# Allegro board BRD-05058-03_A1.brd (continued)
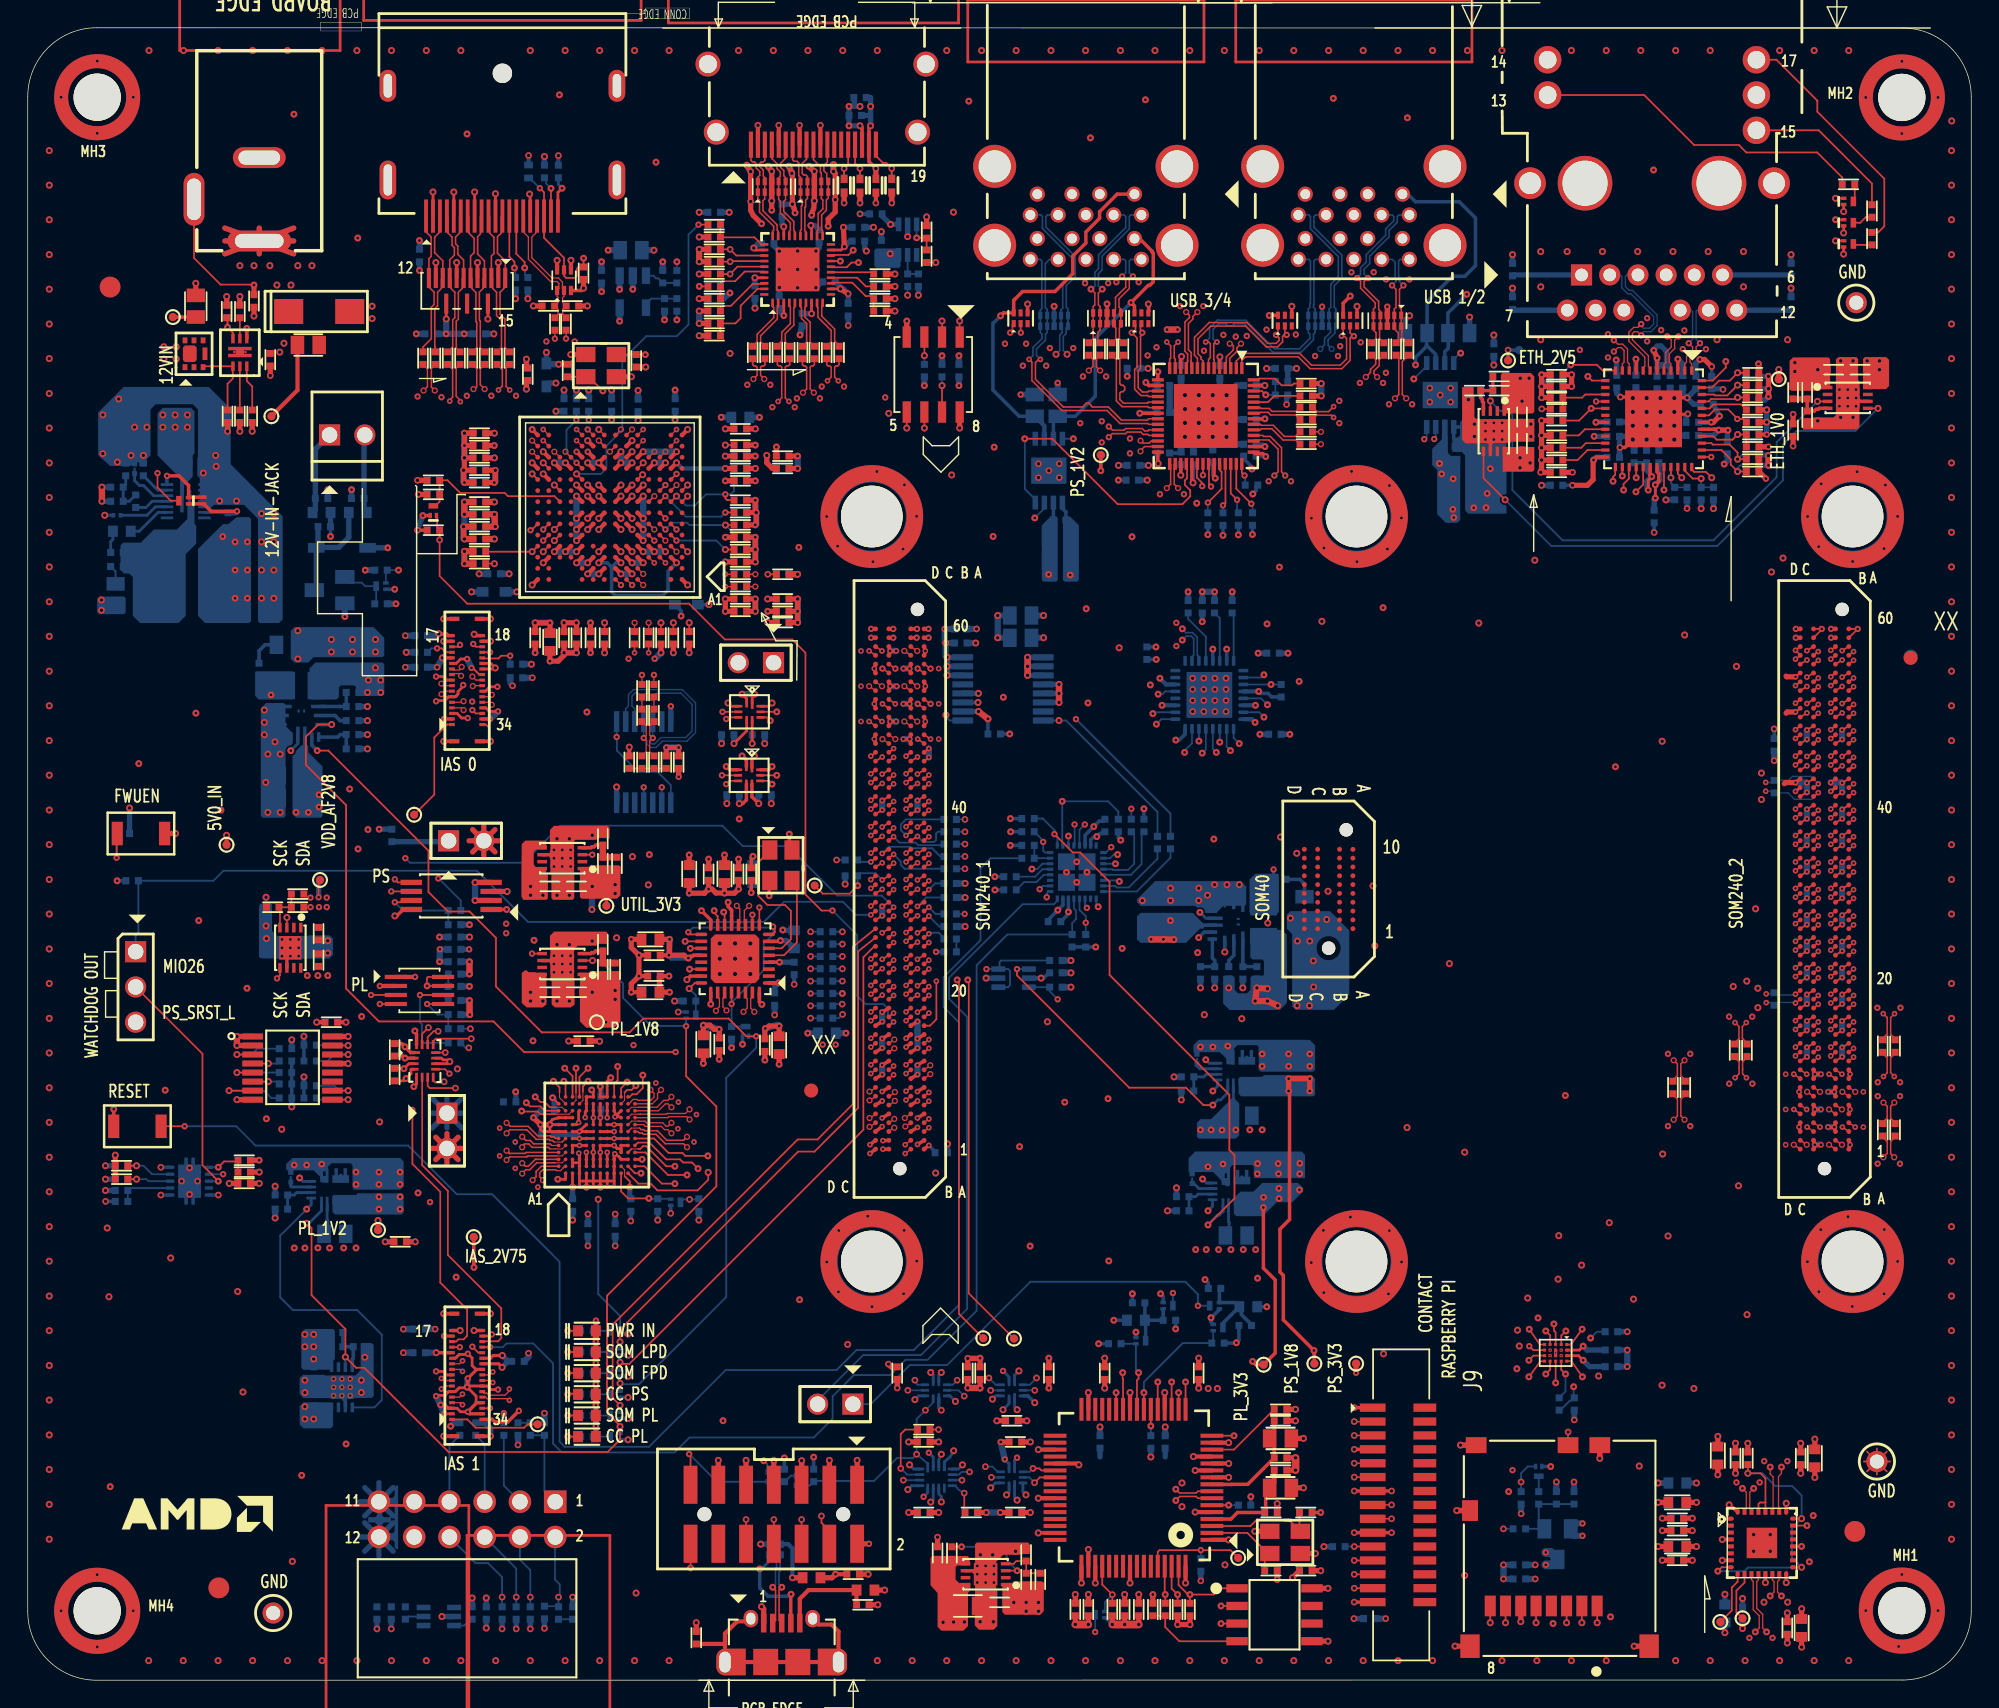
[diagram p0: board, top side]
## Routing (per net, layer and track width the routed paths; a pad name or vN(x,y) marks a point on that pad's centre or on a via; arc(x,y) is an arc through that point) (continued)
N1064220: length 6.2
  TOP w0.127: U24.2 87.86,10.61 89.34,9.13 X2.1 89.11,8.76 C103.1
N1064316: length 8.2
  TOP w0.127: 91.61,10.79 90.83,11.57 88.54,11.57 88.08,11.11 U24.3 ; 91.61,10.79 X2.3 ; 91.61,10.79 C104.1
N1064420: length 1.9
  TOP w0.127: U24.6 v5(86.5,12.61)
  BOTTOM w0.127: R79.2 v5(86.5,12.61)
N1366089: length 9
  BOTTOM w0.381: Q18.3 20.78,78.64 D2.2 20.91,81.68 ; 20.91,81.68 20.91,83.07 C208.2 ; 20.91,81.68 21,81.58 22.41,81.58 23.13,82.3 L9.2
N1371512: length 8.8
  TOP w0.132: R80.2 v6(41.55,76.15)
  TOP w0.305: U27.D6 v6(43.53,81.27)
  L03_SIG w0.305: v6(41.55,76.15) 41.93,76.53 41.93,81.55 42.31,81.93 42.87,81.93 v6(43.53,81.27)
N1371516: length 4.9
  TOP w0.305: U27.L2 v6(46.73,87.67)
  TOP w0.381: R81.2 v6(50.25,87.26)
  BOTTOM w0.305: v6(46.73,87.67) 47.14,87.26 v6(50.25,87.26)
N1371642: length 5.5
  TOP w0.305: U27.M9 v1(40.33,88.47)
  L10_SIG w0.305: v1(40.41,90.75) 41.24,90.75 41.69,90.3 41.69,89.04 41.12,88.47 v1(40.33,88.47)
  BOTTOM w0.132: R84.2 v1(40.41,90.75)
N1371738: length 11.4
  TOP w0.127: U27.H12 37.93,85.27 34.59,85.27 34.36,85.5 31.15,85.5 30.23,86.41 C239.1 R168.2 29.67,84.87 29.37,84.57 Q22.3
N1375606: length 2
  TOP w0.127: U31.3 v6(64.59,95.39)
  BOTTOM w0.127: R87.2 v6(64.59,95.39)
N1375610: length 2.5
  TOP w0.127: U31.7 v6(65.86,93.23)
  BOTTOM w0.127: R88.2 v6(65.86,93.23)
N1394837: length 6.9
  TOP w0.127: U27.D2 v4(46.73,81.27) ; R155.1 v6(47.65,76.15)
  L03_SIG w0.102: v4(46.73,81.27) 47.27,80.74 47.27,80.15 47.01,79.9 47.01,77.99 47.65,77.36 v6(47.65,76.15)
N1434920: length 3
  TOP w0.127: J6.19 v5(37.69,107.43)
  BOTTOM w0.127: R200.1 37.34,108.08 37.34,107.79 v5(37.69,107.43)
N1442575: length 7.7
  TOP w0.127: U27.E3 v4(45.93,82.07) ; R169.1 v6(46.51,76.15)
  L03_SIG w0.102: v6(46.51,76.15) 46.51,79.36 45.56,80.31 45.56,81.69 v4(45.93,82.07)
N1569020: length 3.5
  BOTTOM w0.127: R213.1 86.87,76.75 U37.24
N1569323: length 3.6
  BOTTOM w0.127: R209.2 85.87,76.48 U37.22
N1569805: length 4
  BOTTOM w0.127: C278.2 83.59,76.42 84.87,75.14 U37.20
N1589278: length 7.9
  TOP w0.127: U27.L5 v6(44.33,87.67) ; R176.1 v6(50.25,88.95)
  L12_SIG w0.102: v6(50.25,88.95) 49.04,87.74 47.69,87.74 47.36,88.07 44.74,88.07 v6(44.33,87.67)
N1589300: length 4.9
  TOP w0.127: U27.L10 v1(39.53,87.67)
  BOTTOM w0.127: v1(39.53,87.67) 38.81,88.39 38.81,90.05 v1(39.52,90.75) R175.2
N1592727: length 2.7
  TOP w0.127: R171.1 R173.1 R172.1 46,65.66 R170.2
N1672169: length 6.1
  BOTTOM w0.127: C367.2 R236.2 R272.1 108.85,10.9 Q14.1 109.25,10.9 C368.1
N1690498: length 1.2
  BOTTOM w0.127: Q6.3 R157.1
N1690502: length 1.7
  TOP w0.127: DS1.1 v6(38.9,25.16)
  BOTTOM w0.127: R157.2 v6(38.9,25.16)
N1690608: length 1.2
  BOTTOM w0.127: Q7.3 R158.1
N1690612: length 1.7
  TOP w0.127: DS2.1 v6(38.9,22.11)
  BOTTOM w0.127: v6(38.9,22.11) R158.2
N1690718: length 1.2
  BOTTOM w0.127: Q8.3 R159.1
N1690722: length 1.7
  TOP w0.127: DS3.1 39.59,20.64 38.95,20.64 v6(38.9,20.59)
  BOTTOM w0.127: R159.2 v6(38.9,20.59)
N1690828: length 1.2
  BOTTOM w0.127: Q9.3 R160.1
N1690832: length 1.7
  TOP w0.127: DS4.1 v6(38.9,19.06)
  BOTTOM w0.127: R160.2 v6(38.9,19.06)
N1690938: length 1.2
  BOTTOM w0.127: Q10.3 R161.1
N1690942: length 1.7
  TOP w0.127: DS5.1 v6(38.9,17.54)
  BOTTOM w0.127: v6(38.9,17.54) R161.2
N1766802: length 3.2
  BOTTOM w0.203: R33.1 8.03,82.74 9.39,84.1 U6.2
N1766806: length 1.6
  BOTTOM w0.203: R33.2 6.13,82.15 5.97,81.99 C37.1
N1766990: length 4.5
  TOP w0.254: R265.2 11.61,85.2 Q21.2 11.58,86.04 10.89,86.73 v1(10.03,86.73)
  BOTTOM w0.254: U6.7 v1(10.03,86.73)
N1767106: length 3
  BOTTOM w0.203: R31.1 7.06,86.1 R30.2 C39.2 7.31,84.9 7.76,85.35 R32.2
N1767370: length 1.4
  BOTTOM w0.132: R223.1 6.33,79.85 C319.2
N1779575: length 2.3
  BOTTOM w0.254: R224.1 17.09,74.56 16.66,74.13 C320.2
N1784249: length 2.4
  BOTTOM w0.203: R225.1 91.97,56.53
  BOTTOM w0.254: C321.2 91.64,57.67 91.97,57.34 91.97,56.53
N1926673: length 24.2
  TOP w0.127: U40.29 124.67,12.69 124.79,12.8 125.17,12.8 ; v5(121.75,7.85) 122.03,8.14 U40.8 ; R240.1 v6(123.91,14.9) 124.82,14.9 125.18,14.54 125.18,12.8 125.17,12.8 ; U40.28 125.17,12.8 ; U40.17 v6(127.78,8.14) ; U40.24 v6(127.78,11.64)
  BOTTOM w0.127: v6(123.91,14.9) 124.97,14.9 125.88,13.98 127.1,13.98 127.78,13.3 v6(127.78,11.64) 127.08,10.94 127.08,8.83 v6(127.78,8.14) 127.75,8.11 123.91,8.11 123.65,7.85 v5(121.75,7.85)
N2162492: length 6.5
  TOP w0.127: TP31.1 36.01,18.43 35.76,18.18 32.27,18.18 31.67,18.79 J8.1
N2168209: length 7.8
  TOP w0.127: TP27.1 29.28,63.78 29.28,67.89 30.22,68.82 J7.1
N2198627: length 1.2
  BOTTOM w0.127: Q17.3 R254.1
N2198631: length 1.7
  TOP w0.127: DS6.1 v6(38.9,23.64)
  BOTTOM w0.127: R254.2 v6(38.9,23.64)
N2390901: length 3.8
  BOTTOM w0.127: R260.2 25.1,77.62 Q20.3 24.3,78.79 24.05,79.04 23.25,79.04 Q18.1
N2498323: length 4
  TOP w0.127: TP35.1 122.75,5.02 122.75,6.68 123.17,7.1 U40.9
N2498387: length 3.6
  TOP w0.127: TP36.1 123.08,4.9 123.08,6.45 123.67,7.04 U40.10
N2549814: length 0.9
  BOTTOM w0.127: C344.1 66.9,52.46 66.9,53.38 R264.2
N2861572: length 6.3
  BOTTOM w0.254: Q23.3 86.09,25.71 D3.2 ; D3.2 87.42,26.75 87.42,26.34 88.15,25.61 R294.2 ; D3.2 87.28,26.9 87.21,27.08 86.98,27.19 Q24.1 85.84,28.12 C388.1
N2906910: length 1.1
  BOTTOM w0.127: R272.2 Q15.3
N2971691: length 0.9
  BOTTOM w0.127: R274.1 C370.1
N2974273: length 1
  BOTTOM w0.127: R275.1 C371.1
N3482645: length 4.8
  BOTTOM w0.254: Q26.3 80.53,25.87 ; 80.53,25.87 80.59,25.92 C389.1 Q25.1 ; 80.53,25.87 D4.2 R296.2
N3484918: length 27.4
  L05_SIG w0.102: v1(67.49,55.18) 67.13,55.18 65.28,57.04 65.28,57.72 64.89,58.11 60.17,58.11 57.7,60.57 57.7,69.3 J20.1
  BOTTOM w0.127: R164.2 v1(67.49,55.18)
N3709789: length 5.5
  BOTTOM w0.127: U19.5 79.47,58 80.24,58.77 80.24,60.93 80.41,61.1 R303.2
N3709798: length 2.9
  BOTTOM w0.127: R306.2 71.21,56.91 71.77,57.48 72.67,57.48 73.19,58 U19.20
N4410185: length 2.7
  BOTTOM w0.127: R302.2 72.57,57.87 73.1,58.4 U19.21

## Copper pours and planes (outline as drawn; the poured copper is in the pictures)
5V0_IN on TOP (solid shape): 36.07,50.99 36.56,50.99 36.58,50.98 36.64,50.96 36.7,50.95 37.23,50.95 37.36,50.81 37.36,48.66 37.09,48.45 35.94,48.45 35.71,48.66 35.58,48.78 35.58,50.94 35.82,51.12 35.94,51.12
5V0_IN on TOP (solid shape): 37.36,60.34 37.36,60.09 37.34,59.88 37.29,59.83 36.7,59.83 36.55,59.78 36.46,59.64 36.45,59.63 36.45,59.57 36.45,58.82 36.45,58.74 36.51,58.66 36.6,58.56 37.23,58.56 37.34,58.48 37.34,58.1 37.47,57.97 37.47,56.28 37.34,56.2 35.69,56.2 35.56,56.42 35.56,58.17 35.58,60.21 35.84,60.47 37.23,60.47
5V0_IN on BOTTOM (solid shape): 74.19,83.68 74.19,79.23 74.06,79.1 73.18,79.1 73.05,79.23 73.05,83.17 73.68,83.8 74.06,83.8
5V0_IN on BOTTOM (solid shape): 16.08,83.63 16.08,76.27 15.95,76.14 12.77,76.14 12.27,76.65 12.27,81.47 14.04,83.25 14.43,83.25 15.06,83.76 15.95,83.76
5V0_IN on BOTTOM (solid shape): 21.77,20 21.83,19.99 21.99,19.83 21.99,19.19 22,18.31 21.82,18.13 19.86,18.13 19.58,18.41 19.58,19.74 19.86,20.01 21.73,20.01
5V0_IN on BOTTOM (solid shape): 84.73,54.45 84.73,54.25 84.73,54.18 84.67,54.12 84.45,54.12 83.43,53.1 80.16,53.1 79.91,53.35 79.91,55.01 80.16,55.26 83.92,55.26
5V0_IN on BOTTOM (solid shape): 86.79,41.95 86.88,41.98 86.95,41.93 87.02,41.8 87.27,41.54 87.27,39.26 87.02,39 84.35,39 84.22,39.13 84.22,40.15 84.48,40.4 85.24,40.4
5V0_IN on BOTTOM (solid shape): 102.27,89.75 102.28,89.7 102.29,89.65 102.29,88.39 102.51,88.17 103.2,88.17 103.2,87.53 103.2,87.52 103.2,83.56 102.98,83.35 102.15,83.35 101.53,83.97 101.53,87.16 101.17,87.52 101.17,88.67 101.87,89.37 101.87,89.67 101.88,89.72 101.88,89.75 101.88,90.79 102.27,90.79
5V0_IN on BOTTOM (solid shape): 19.79,67.32 19.83,67.32 20.08,67.32 20.12,67.32 20.15,67.33 20.19,67.32 20.21,67.29 20.22,67.26 20.22,66.82 21.23,65.8 21.23,62.24 21.11,62.12 19.33,62.12 19.07,62.37 19.07,66.59 19.1,66.6 19.26,66.73 19.32,66.92 19.32,66.94 19.73,67.34
5V0_IN on TOP: 16.18,82.6 16.18,77.64 15.67,77.14 14.27,77.14 13.13,78.28 13.13,82.72 13.51,83.1 15.67,83.1
5V0_IN on TOP: 21.71,51.66 19.85,51.66 19.8,51.65 19.74,51.64 19.58,51.47 19.58,50.84 19.58,49.96 19.75,49.78 21.71,49.78 21.99,50.06 21.99,51.38
5V0_IN on BOTTOM: 21.99,33.03 21.99,30.75 21.74,30.49 19.07,30.49 18.95,30.62 18.95,31.64 19.2,31.89 19.96,31.89 21.61,33.54 21.74,33.29
5V0_IN on BOTTOM: 86.93,32.92 86.93,30.63 86.67,30.38 84.01,30.38 83.88,30.5 83.88,31.52 84.13,31.77 84.9,31.77 86.55,33.43 86.67,33.17
5V0_IN on L08_PWR: 8.26,117.15 132.09,117.15 138.44,110.8 138.44,21.9 137.17,20.63 127.01,20.63 118.75,28.88 82.56,28.88 80.65,30.79 80.65,58.73 80.02,59.36 75.57,59.36 74.94,58.73 74.94,49.2 74.3,48.57 60.97,48.57 60.33,49.2 60.33,54.92 59.7,55.55 40.01,55.55 39.38,54.92 39.38,48.57 38.74,47.93 36.19,47.93 33.65,50.47 18.42,50.47 17.79,49.84 17.79,39.68 18.42,39.04 21.6,39.04 23.5,37.14 23.5,33.96 25.41,32.06 25.41,19.36 24.14,18.09 2.55,18.09 1.91,18.72 1.91,110.8 ; 3 cut-outs
5V0_IN_SW on BOTTOM (solid shape): 12.01,84.52 12.01,83.25 12.14,83.12 12.14,81.85 11.38,81.09 11.38,76.65 10.87,76.14 8.08,76.14 7.57,76.65 7.57,79.44 7.31,79.69 6.93,79.69 6.68,79.95 6.68,81.73 6.87,81.92 8.14,81.92 9.09,82.87 10.74,82.87 11.5,83.63 11.5,84.77 11.63,84.9
12V_IN on BOTTOM (solid shape): 12.01,91.38 12.01,88.34 11.89,88.21 11.89,86.68 11.25,86.04 11.25,85.03 11,85.03 11,86.55 9.35,88.2 9.35,91.25 9.73,91.63 11.76,91.63
12V_IN on TOP: 12.85,98.67 9.32,98.67 8.92,98.26 8.92,94.63 9.72,93.83 12.19,93.83 12.19,96.88 13.08,97.77 13.08,98.44
12V_IN on L07_PWR: 1.91,96.02 3.22,97.33 24.18,97.33 25.41,96.1 25.41,84.76 26.68,83.49 26.68,81.46 25.53,80.32 3.94,80.32 1.91,82.35
12V_IN_JACK on TOP: 19.84,95.26 19.98,95.4 19.98,105.17 19.47,105.68 14.14,105.68 13.76,105.3 13.76,101.49 14.14,101.11 16.93,101.11 17.31,100.73 17.31,96.52 16.81,96.03 15.41,96.03 15.41,95.39 15.53,95.26
12V_IN_JACK on BOTTOM: 19.53,95.33 19.98,95.77 19.98,105.17 19.47,105.68 14.14,105.68 13.76,105.3 13.76,101.49 14.14,101.11 16.93,101.11 17.31,100.73 17.31,97.55 17.69,97.17 17.69,96.28 17.44,96.03 15.41,96.03 15.41,96.07 14.9,95.56 14.9,89.6 15,89.5 15.71,89.5 15.79,89.57 15.79,93.99 17.12,95.33
12V_IN_SOURCE on TOP: 14.52,95.26 14.29,95.03 12.45,95.03 12.45,96.79 13.5,96.79 14.28,96.01 15.14,96.01 15.14,95.39 15.01,95.26
AVDD12 on L05_SIG: 47.9,92.72 51.84,92.72 54.38,90.18 54.38,78.12 54.35,78.12 54.35,76.07 53.84,75.55 51.15,75.55 49,77.71 48.81,77.9 42.21,77.9 40.18,75.99 39.77,75.66 35.89,75.66 34.06,77.48 34.06,78.75 32.73,80.09 32.3,80.56 32.3,83.99 33.57,85.26 38.15,85.26 38.56,85.74 38.56,86.25 38.4,86.4 38.27,86.53 37.77,86.53 37.64,86.41 37.03,86.4 36.88,86.55 36.88,87.24 36.45,87.67 33.42,87.67 32.79,88.3 32.79,88.91 32.85,88.98 32.85,93.3 33.55,93.99 46.76,93.99 46.76,93.87
AVDD33 on L12_SIG: 42.04,89.84 43.95,89.84 44.08,89.72 44.08,86.39 44.6,85.87 44.6,82.31 50.43,82.35 51.32,81.46 51.32,76.89 50.3,75.87 48.63,75.87 47.9,76.6 43.46,76.6 42.95,76.09 42.95,75.58 42.19,74.82 42.19,73.55 42.06,73.42 38.5,73.42 37.93,73.99 37.93,78.06 36.96,79.05 33.54,79.05 32.77,79.82 32.77,89.05 33.93,90.17 35.47,90.17 36.71,88.95 41.92,88.95 42.04,89.08
GND on TOP (solid shape): 72.18,9.79 72.18,9.09 71.67,9.09 71.58,9.07 71.51,9.03 70.27,9.03 69.96,8.72 69.92,8.69 69.89,8.65 69.76,8.52 69.76,6.49 69.85,6.41 69.85,3.91 69.57,3.64 68.53,3.64 68.22,3.94 68.22,4.82 68.24,4.84 68.24,9.79 68.37,9.92 72.05,9.92
GND on TOP (solid shape): 104.16,92.62 104.17,92.53 104.21,92.46 104.21,90.97 104.34,90.84 104.59,90.84 104.61,90.83 104.67,90.8 104.74,90.8 106.49,90.8 106.55,90.8 106.62,90.83 106.63,90.84 108.53,90.84 108.53,89.19 106.88,89.19 106.75,89.06 106.63,89.06 106.62,89.07 106.55,89.09 106.49,89.1 105.74,89.1 105.67,89.09 105.61,89.07 105.59,89.06 105.13,89.06 105.12,89.07 105.05,89.09 104.99,89.1 104.74,89.1 104.67,89.09 104.61,89.07 104.59,89.06 103.58,89.06 103.33,89.31 103.33,93.12 104.16,93.12
GND on TOP (solid shape): 131.73,95.29 131.85,95.14 131.85,93.63 131.96,93.53 131.96,93.26 131.95,93.22 131.95,92.97 131.95,92.72 131.95,92.47 131.96,92.43 131.96,91.76 131.95,91.72 131.95,91.47 131.96,91.43 131.96,90.27 131.74,90.05 127.92,90.05 127.87,90.11 127.87,90.89 128.44,90.89 128.52,90.91 128.59,90.94 130.09,90.94 130.25,91.11 130.25,91.41 130.26,91.47 130.26,91.72 130.25,91.78 130.25,91.91 130.26,91.97 130.26,92.72 130.25,92.78 130.25,92.91 130.26,92.97 130.26,93.22 130.25,93.28 130.25,95.11 130.43,95.29
GND on TOP (solid shape): 41.79,53.78 41.79,53.03 41.17,53.03 41.04,52.99 40.95,52.89 39.63,52.89 39.39,52.66 39.39,52.59 39.39,52.58 39.36,52.52 39.35,52.45 39.35,52.2 39.36,52.14 39.38,52.08 39.36,52.02 39.35,51.95 39.35,51.2 39.36,51.14 39.38,51.08 39.36,51.02 39.35,50.95 39.35,50.7 39.36,50.63 39.39,50.57 39.39,50.56 39.39,48.66 39.12,48.45 37.98,48.45 37.74,48.66 37.74,50.31 37.62,50.43 37.62,50.56 37.62,50.57 37.65,50.63 37.66,50.7 37.66,50.95 37.65,51.02 37.63,51.08 37.65,51.14 37.66,51.2 37.66,51.45 37.65,51.52 37.62,51.58 37.62,51.59 37.62,52.06 37.62,52.07 37.65,52.13 37.66,52.2 37.66,52.45 37.65,52.52 37.62,52.58 37.62,52.59 37.62,53.61 37.92,53.91 41.68,53.91
GND on TOP (solid shape): 41.91,61.4 41.91,60.64 41.85,60.58 41.82,60.61 41.75,60.64 41.68,60.65 41.17,60.65 41.04,60.61 40.95,60.51 39.44,60.51 39.37,60.44 39.37,60.17 39.36,60.12 39.35,60.07 39.35,59.82 39.36,59.77 39.37,59.72 39.37,59.67 39.36,59.62 39.35,59.57 39.35,58.82 39.36,58.77 39.37,58.72 39.37,58.67 39.36,58.62 39.35,58.57 39.35,58.32 39.36,58.27 39.37,58.22 39.37,56.32 39.25,56.2 37.85,56.2 37.72,56.32 37.72,58.1 37.63,58.2 37.64,58.23 37.65,58.27 37.66,58.32 37.66,58.57 37.65,58.64 37.63,58.7 37.65,58.76 37.66,58.82 37.66,59.07 37.65,59.15 37.61,59.22 37.6,59.23 37.6,59.66 37.61,59.68 37.65,59.75 37.66,59.82 37.66,60.07 37.65,60.14 37.62,60.21 37.61,60.22 37.62,61.23 37.92,61.53 41.79,61.53
GND on TOP (solid shape): outline of 229 points within 1.9,110.9 8.1,117.1
GND on TOP (solid shape): outline of 229 points within 1.9,1.9 8.1,8.1
GND on TOP (solid shape): outline of 229 points within 131.9,110.88 138.1,117.08
GND on TOP (solid shape): outline of 229 points within 131.9,1.91 138.1,8.12
GND on TOP (solid shape): outline of 248 points within 57.1,80.1 64.5,87.5
GND on TOP (solid shape): outline of 248 points within 57.1,26.45 64.5,33.85
GND on TOP (solid shape): outline of 248 points within 92.02,80.1 99.42,87.5
GND on TOP (solid shape): outline of 248 points within 92.02,26.45 99.42,33.85
GND on TOP (solid shape): outline of 248 points within 127.75,80.1 135.15,87.5
GND on TOP (solid shape): outline of 248 points within 127.75,26.45 135.15,33.85
GND on BOTTOM (solid shape): 7.06,77.92 7.06,76.9 6.93,76.77 5.15,76.77 5,76.93 5,77.89 5.15,78.04 6.93,78.04
GND on BOTTOM (solid shape): 75.72,83.17 75.72,79.23 75.59,79.1 74.7,79.1 74.57,79.23 74.57,83.68 74.7,83.8 75.08,83.8
GND on BOTTOM (solid shape): 25.68,75.07 25.68,73.8 25.55,73.67 20.6,73.67 20.22,73.29 19.2,73.29 18.95,73.55 18.95,75.58 19.2,75.83 24.92,75.83
GND on BOTTOM (solid shape): 92.73,45.73 92.73,43.96 92.61,43.83 88.8,43.83 88.67,43.96 88.67,44.08 88.67,44.08 88.67,45.13 88.67,45.13 88.67,45.61 88.54,45.73 87.15,45.73 86.89,45.48 86.89,44.34 86.51,44.34 86.38,44.46 86.38,44.72 85.88,45.23 84.43,45.23 84.43,45.19 83.97,45.19 83.97,45.73 84.35,46.12 92.35,46.12
GND on BOTTOM (solid shape): 18.57,70.25 18.57,68.72 19.07,68.21 19.07,67.45 18.94,67.32 18.92,67.32 18.67,67.2 18.57,66.95 18.57,66.92 18.57,62.24 18.44,62.12 16.91,62.12 16.79,62.24 16.79,69.99 17.17,70.37 18.44,70.37
GND on BOTTOM (solid shape): 87.78,57.16 87.78,55.89 87.65,55.77 86.13,55.77 85.62,55.26 84.82,55.26 84.82,55.31 84.7,55.57 84.44,55.67 84.36,55.67 84.28,55.64 84.24,55.62 84.1,55.77 80.16,55.77 79.91,56.02 79.91,56.23 81.22,57.55 87.4,57.55
GND on BOTTOM (solid shape): 92.01,37.84 92.01,36.16 88.33,36.16 88.33,36.51 88.32,36.51 88.32,36.98 88.2,37.11 86.8,37.11 86.6,36.9 86.6,35.63 86.55,35.58 86.27,35.58 86.27,35.66 86.02,35.66 86.02,35.95 85.81,36.17 86.4,36.17 86.4,36.5 86.19,36.5 86.19,36.17 85.81,36.17 85.39,36.6 84.01,36.6 84.01,36.58 83.65,36.58 83.63,36.6 83.63,37.59 84.11,38.08 91.77,38.08
GND on BOTTOM (solid shape): 27.07,37.35 27.07,35.57 26.82,35.32 23.52,35.32 23.39,35.45 23.39,35.57 23.4,35.57 23.4,36.62 23.39,36.62 23.39,37.1 23.26,37.23 21.87,37.23 21.61,36.97 21.61,35.83 21.23,35.83 21.11,35.96 21.11,36.21 21.01,36.31 21.47,36.31 21.47,36.64 21.26,36.64 21.26,36.31 21.01,36.31 20.6,36.72 19.07,36.72 19.07,36.68 18.82,36.68 18.82,36.72 18.69,36.72 18.62,36.78 18.62,37.18 19.07,37.61 26.82,37.61
GND on BOTTOM (solid shape): 14.62,91.56 14.62,87.56 18.36,83.81 18.36,76.39 18.11,76.14 16.71,76.14 16.58,76.27 16.58,83.63 15.57,84.65 13.41,84.65 13.22,84.46 12.39,84.46 12.39,86.55 12.21,86.73 12.21,88.02 12.27,88.08 12.27,91.51 11.89,91.89 9.22,91.89 8.84,91.51 8.84,88.2 8.58,87.95 8.58,87.44 8.13,87.44 8.13,87.45 8.02,87.45 8.02,87.71 7.36,87.71 7.36,87.45 7.26,87.45 7.26,87.44 5.94,87.44 5.07,88.21 5.07,91.3 6.89,93.13 13.05,93.13
GND on BOTTOM (solid shape): 17.59,55.88 17.59,53.97 17.84,53.73 17.89,53.67 17.98,53.59 18.07,53.59 19.82,53.59 19.85,53.59 20.17,53.59 20.22,53.64 21.73,53.64 21.99,53.42 21.99,52.25 21.71,51.97 19.8,51.97 19.74,51.9 19.07,51.9 19.01,51.89 18.88,51.89 18.82,51.9 18.57,51.9 18.51,51.89 18.38,51.89 18.32,51.9 18.12,51.9 18.05,51.97 16.78,51.98 16.66,52.11 16.66,55.79 16.79,55.93 17.55,55.93
GND on BOTTOM (solid shape): 24.92,24.14 24.92,20.46 24.79,20.33 23.52,20.32 23.45,20.25 23.25,20.25 23.19,20.24 23.07,20.24 23,20.25 22.75,20.25 22.69,20.24 22.57,20.24 22.5,20.25 21.84,20.25 21.77,20.32 19.86,20.32 19.58,20.6 19.58,21.77 19.84,22 21.35,22 21.4,21.94 21.72,21.94 21.75,21.94 23.5,21.94 23.6,21.94 23.68,22.02 23.73,22.08 23.98,22.33 23.98,24.23 24.03,24.28 24.78,24.28
GND on BOTTOM (solid shape): 106.52,85.49 106.49,85.42 106.42,85.39 106.04,85.01 106.42,84.63 106.49,84.6 106.52,84.52 106.52,84 103.78,84 103.55,84.23 103.55,88.19 103.29,88.45 102.62,88.45 102.62,89.5 102.93,89.5 103.11,89.57 103.18,89.75 103.18,90.59 103.41,90.82 106.52,90.82
GND on BOTTOM (solid shape): 95.2,54 95.2,49.37 94.1,48.27 91.34,48.27 91.08,48.53 91.08,52.72 92.85,52.72 92.85,52.63 92.86,52.55 92.88,52.47 92.91,52.39 92.94,52.32 92.99,52.24 93.04,52.18 93.09,52.11 93.15,52.06 93.22,52.01 93.29,51.96 93.36,51.93 93.44,51.9 93.52,51.87 93.61,51.86 93.69,51.85 93.77,51.86 93.85,51.87 93.94,51.88 94.02,51.91 94.09,51.94 94.17,51.98 94.23,52.03 94.3,52.08 94.36,52.14 94.41,52.21 94.45,52.28 94.49,52.35 94.52,52.43 94.55,52.51 94.56,52.59 94.57,52.68 94.57,52.76 94.56,52.84 94.55,52.92 94.52,53 94.49,53.08 94.45,53.16 94.41,53.23 94.36,53.29 94.3,53.35 94.23,53.4 94.17,53.45 94.09,53.49 94.02,53.53 93.94,53.55 93.85,53.57 93.77,53.58 93.69,53.58 93.61,53.58 93.52,53.56 93.44,53.54 93.36,53.51 93.29,53.47 93.22,53.43 93.15,53.38 93.09,53.32 93.04,53.26 92.99,53.19 92.94,53.12 92.91,53.04 92.88,52.96 92.86,52.88 92.85,52.8 92.85,52.72 91.08,52.72 91.08,53.74 90.7,54.12 90.7,55.13 90.96,55.39 93.8,55.39
GND on BOTTOM (solid shape): outline of 229 points within 1.9,110.9 8.1,117.1
GND on BOTTOM (solid shape): outline of 229 points within 1.9,1.9 8.1,8.1
GND on BOTTOM (solid shape): outline of 229 points within 131.9,110.88 138.1,117.08
GND on BOTTOM (solid shape): outline of 229 points within 131.9,1.91 138.1,8.11
GND on BOTTOM (solid shape): outline of 248 points within 57.1,80.1 64.5,87.5
GND on BOTTOM (solid shape): outline of 248 points within 57.1,26.45 64.5,33.85
GND on BOTTOM (solid shape): outline of 248 points within 92.02,80.1 99.42,87.5
GND on BOTTOM (solid shape): outline of 248 points within 92.02,26.45 99.42,33.85
GND on BOTTOM (solid shape): outline of 248 points within 127.75,80.1 135.15,87.5
GND on BOTTOM (solid shape): outline of 248 points within 127.75,26.45 135.15,33.85
GND on TOP: 53.73,60.63 53.73,59.49 53.47,59.24 52.59,59.24 52.33,58.98 50.93,58.98 50.68,59.24 49.66,59.24 49.41,58.98 48.52,58.98 48.27,59.24 46.87,59.24 46.49,59.62 46.49,60.76 46.74,61.01 53.35,61.01
GND on TOP: 25.43,99.46 25.43,97.68 25.35,97.6 24.18,97.6 22.02,95.44 20.53,95.44 20.47,95.49 20.47,97.09 21.77,97.73 21.77,99.33 22.02,99.61 25.28,99.61
GND on TOP: 17.37,56.71 16.89,56.71 16.66,56.48 16.66,52.11 16.78,51.98 18.05,51.97 18.12,51.9 18.32,51.9 18.38,51.89 18.51,51.89 18.57,51.9 18.82,51.9 18.88,51.89 19.01,51.89 19.07,51.9 19.74,51.9 19.8,51.97 21.71,51.97 21.99,52.25 21.99,53.42 21.73,53.64 20.22,53.64 20.17,53.59 19.85,53.59 19.82,53.59 18.07,53.59 17.98,53.59 17.89,53.67 17.84,53.73 17.59,53.97 17.59,56.49
GND on TOP: 107.83,4.75 107.83,6.66 107.32,7.17 107.32,8.56 107.07,8.82 105.93,8.82 105.67,8.56 105.67,7.04 105.93,6.78 106.69,6.78 107.2,6.28 107.2,4.75
GND on TOP: 69.38,27.82 78.55,27.82 78.81,28.08 78.81,42.37 78.55,42.62 69.38,42.62 69.12,42.37 69.12,28.08
GND on TOP: 18.21,88.06 25.83,88.06 27.48,86.41 27.48,79.93 28.49,78.91 28.49,77.64 19.48,68.6 19.48,68.02 19.48,67.48 19.48,65.8 17.9,64.22 7,64.22 4.86,66.36 4.86,71.09 11.95,71.09 16.68,75.82 16.68,86.53
GND on TOP: 66.31,78.67 75.23,78.67 75.49,78.92 75.49,87.22 74.48,88.23 66.31,88.23 66.06,87.97 66.06,78.92
GND on TOP: 48.39,44.63 49.16,44.63 49.41,44.88 51.06,44.88 51.32,45.14 51.32,45.77 51.44,45.9 52.08,45.9 52.46,45.52 52.46,45.01 52.59,44.88 53.22,44.88 53.6,44.5 54.4,44.5 54.45,44.45 54.45,44.27 53.42,43.23 49.28,43.23 48.27,44.25 48.27,44.5
GND on TOP: outline of 81 points within 79.8,1.19 134.67,86.15
GND on TOP: 82.56,73.71 86.37,73.71 87.76,72.32 87.76,69.27 86.75,68.25 83.19,68.25 82.3,69.14 82.3,73.46
GND on TOP: 11.56,37.01 11.82,37.01 12.58,36.25 12.58,34.72 13.72,33.58 18.04,33.58 19.18,32.44 19.18,22.41 19.62,21.97 24.18,21.97 24.84,21.31 24.84,12.31 7.49,12.31 7.49,25.76 4.44,25.76 4.44,33.57 5.6,34.72 8.64,34.72 8.9,34.47 10.29,34.47 10.93,35.11 10.93,36.38
GND on BOTTOM: 87.44,30.38 88.58,30.38 88.71,30.5 88.71,32.66 88.58,32.79 87.44,32.79 87.31,32.66 87.31,30.5
GND on BOTTOM: 40.52,40.57 40.65,40.69 41.79,40.69 41.92,40.57 41.92,40.44 42.17,40.19 42.43,40.19 42.55,40.06 42.55,38.41 42.43,38.28 42.04,38.28 41.92,38.15 41.92,37.9 41.79,37.77 40.14,37.77 40.01,37.9 40.01,38.15 39.89,38.28 39.63,38.28 39.38,38.53 38.49,38.53 38.36,38.66 38.36,39.55 38.49,39.68 39.38,39.68 39.5,39.8 40.01,39.8 40.52,40.31
GND on BOTTOM: 40.32,86.3 43.48,86.3 43.77,86 43.77,82.83 43,82.05 43,81.29 42.72,81.01 41.04,81.01 40.09,81.96 40.09,86.07
GND on BOTTOM: 70.07,29.64 80.11,29.64 80.37,29.89 80.37,47.64 80.11,47.89 70.07,47.89 69.82,47.64 69.82,29.89
GND on BOTTOM: 124.68,81.22 108.33,81.22 89.82,62.7 89.82,60.46 91.16,59.12 94.62,59.12 95.68,58.06 95.68,36.13 95.68,37.13 96.31,36.5 99.74,36.5 102.03,34.21 102.03,28.11 103.3,26.84 115.97,26.84 116.84,25.97 116.84,18.71 118.93,16.62 128.81,16.62 130.28,18.1 130.28,21.22 124.77,26.73 124.77,41.4 124.22,41.95 122.66,41.95 121.16,43.45 121.16,48.35 122.18,49.36 125.02,49.36 126.11,50.46 126.11,61.71 123.52,64.3 123.52,73.04 126.93,76.45 126.93,78.97
GND on BOTTOM: 22.63,30.49 23.74,30.49 23.9,30.66 23.9,32.78 23.77,32.91 22.49,32.91 22.4,32.82 22.4,30.72
GND on BOTTOM: 26.2,62.54 39.2,62.54 39.46,62.79 39.46,67.99 39.2,68.25 26.2,68.25 25.94,67.99 25.94,62.79
GND on BOTTOM: 93.94,10.43 103.93,10.43 104.18,10.69 104.18,24.22 103.73,24.67 93.88,24.67 93.69,24.48 93.69,10.69
GND on BOTTOM: 101.16,1.03 116.24,1.03 116.5,1.28 116.5,6.08 116.24,6.34 101.16,6.34 100.91,6.08 100.91,1.28
GND on BOTTOM: 37.9,52.35 39.09,52.35 39.33,52.11 39.33,51 39.11,50.78 37.89,50.78 37.67,51 37.67,52.12
GND on BOTTOM: 37.91,59.98 39.1,59.98 39.34,59.74 39.34,58.63 39.11,58.41 37.89,58.41 37.67,58.63 37.67,59.75
GND on BOTTOM: 68.41,8.42 69.6,8.42 69.84,8.18 69.84,7.07 69.61,6.85 68.39,6.85 68.18,7.07 68.18,8.19
GND on BOTTOM: 51.58,24.07 55.75,24.07 55.92,24.25 55.92,27.51 55.41,28.01 55.41,33.21 56.5,34.29 56.5,44.65 56.07,45.08 52.82,45.08 51.33,43.59 51.33,24.32
GND on BOTTOM: 4.02,62.29 14.59,62.29 14.84,62.54 14.84,74.46 14.59,74.71 4.02,74.71 3.77,74.46 3.77,62.54
GND on BOTTOM: 13.38,9.09 16.68,9.09 16.93,9.34 16.93,31.55 16.68,31.8 13.38,31.8 13.13,31.55 13.13,9.34
GND on BOTTOM: 87.91,39 89.05,39 89.18,39.13 89.18,41.29 89.05,41.42 87.76,41.42 87.68,41.34 87.68,39.23
GND on L02_GND: 0.68,0.68 0.68,118.3 139.32,118.3 139.32,0.69 ; 288 cut-outs
GND on L03_SIG: 11.73,118.28 128.19,118.28 139.24,107.23 139.24,18.33 135.94,15.03 135.94,24.43 83.74,24.43 71.67,12.37 71.67,3.6 74.47,0.81 11.6,0.81 0.69,11.72 0.8,107.35
GND on L03_SIG: 108.33,25.21 108.33,25.84 108.08,26.1 107.57,26.1 107.06,25.59 107.06,23.3 107.83,22.54 111.89,22.54 113.03,21.4 113.41,21.4 113.67,21.65 113.67,23.68 112.91,24.45 109.1,24.45
GND on L04_GND: 0.68,0.68 0.68,118.3 139.32,118.3 139.32,0.7 ; 61 cut-outs
GND on L05_SIG: 103.04,86.41 88.44,86.41 86.28,84.25 74.85,84.25 72.94,82.34 72.31,82.34 71.42,83.23 71.42,85.64 73.33,87.55 73.33,89.45 74.85,90.98 75.87,90.98 76.88,91.99 76.88,94.15 75.99,95.04 73.83,95.04 73.07,94.28 71.04,94.28 66.34,98.98 60.63,98.98 59.36,100.25 48.81,100.25 47.8,99.23 47.8,94.66 48.81,93.65 52.88,93.65 55.67,90.85 55.67,73.58 56.94,72.31 65.96,72.31 67.86,70.4 75.61,70.4 80.69,75.48 95.93,75.48 103.93,83.49 103.93,85.52